# Altium PCB Lancelot.PcbDoc (part 3 of 14) (continued)
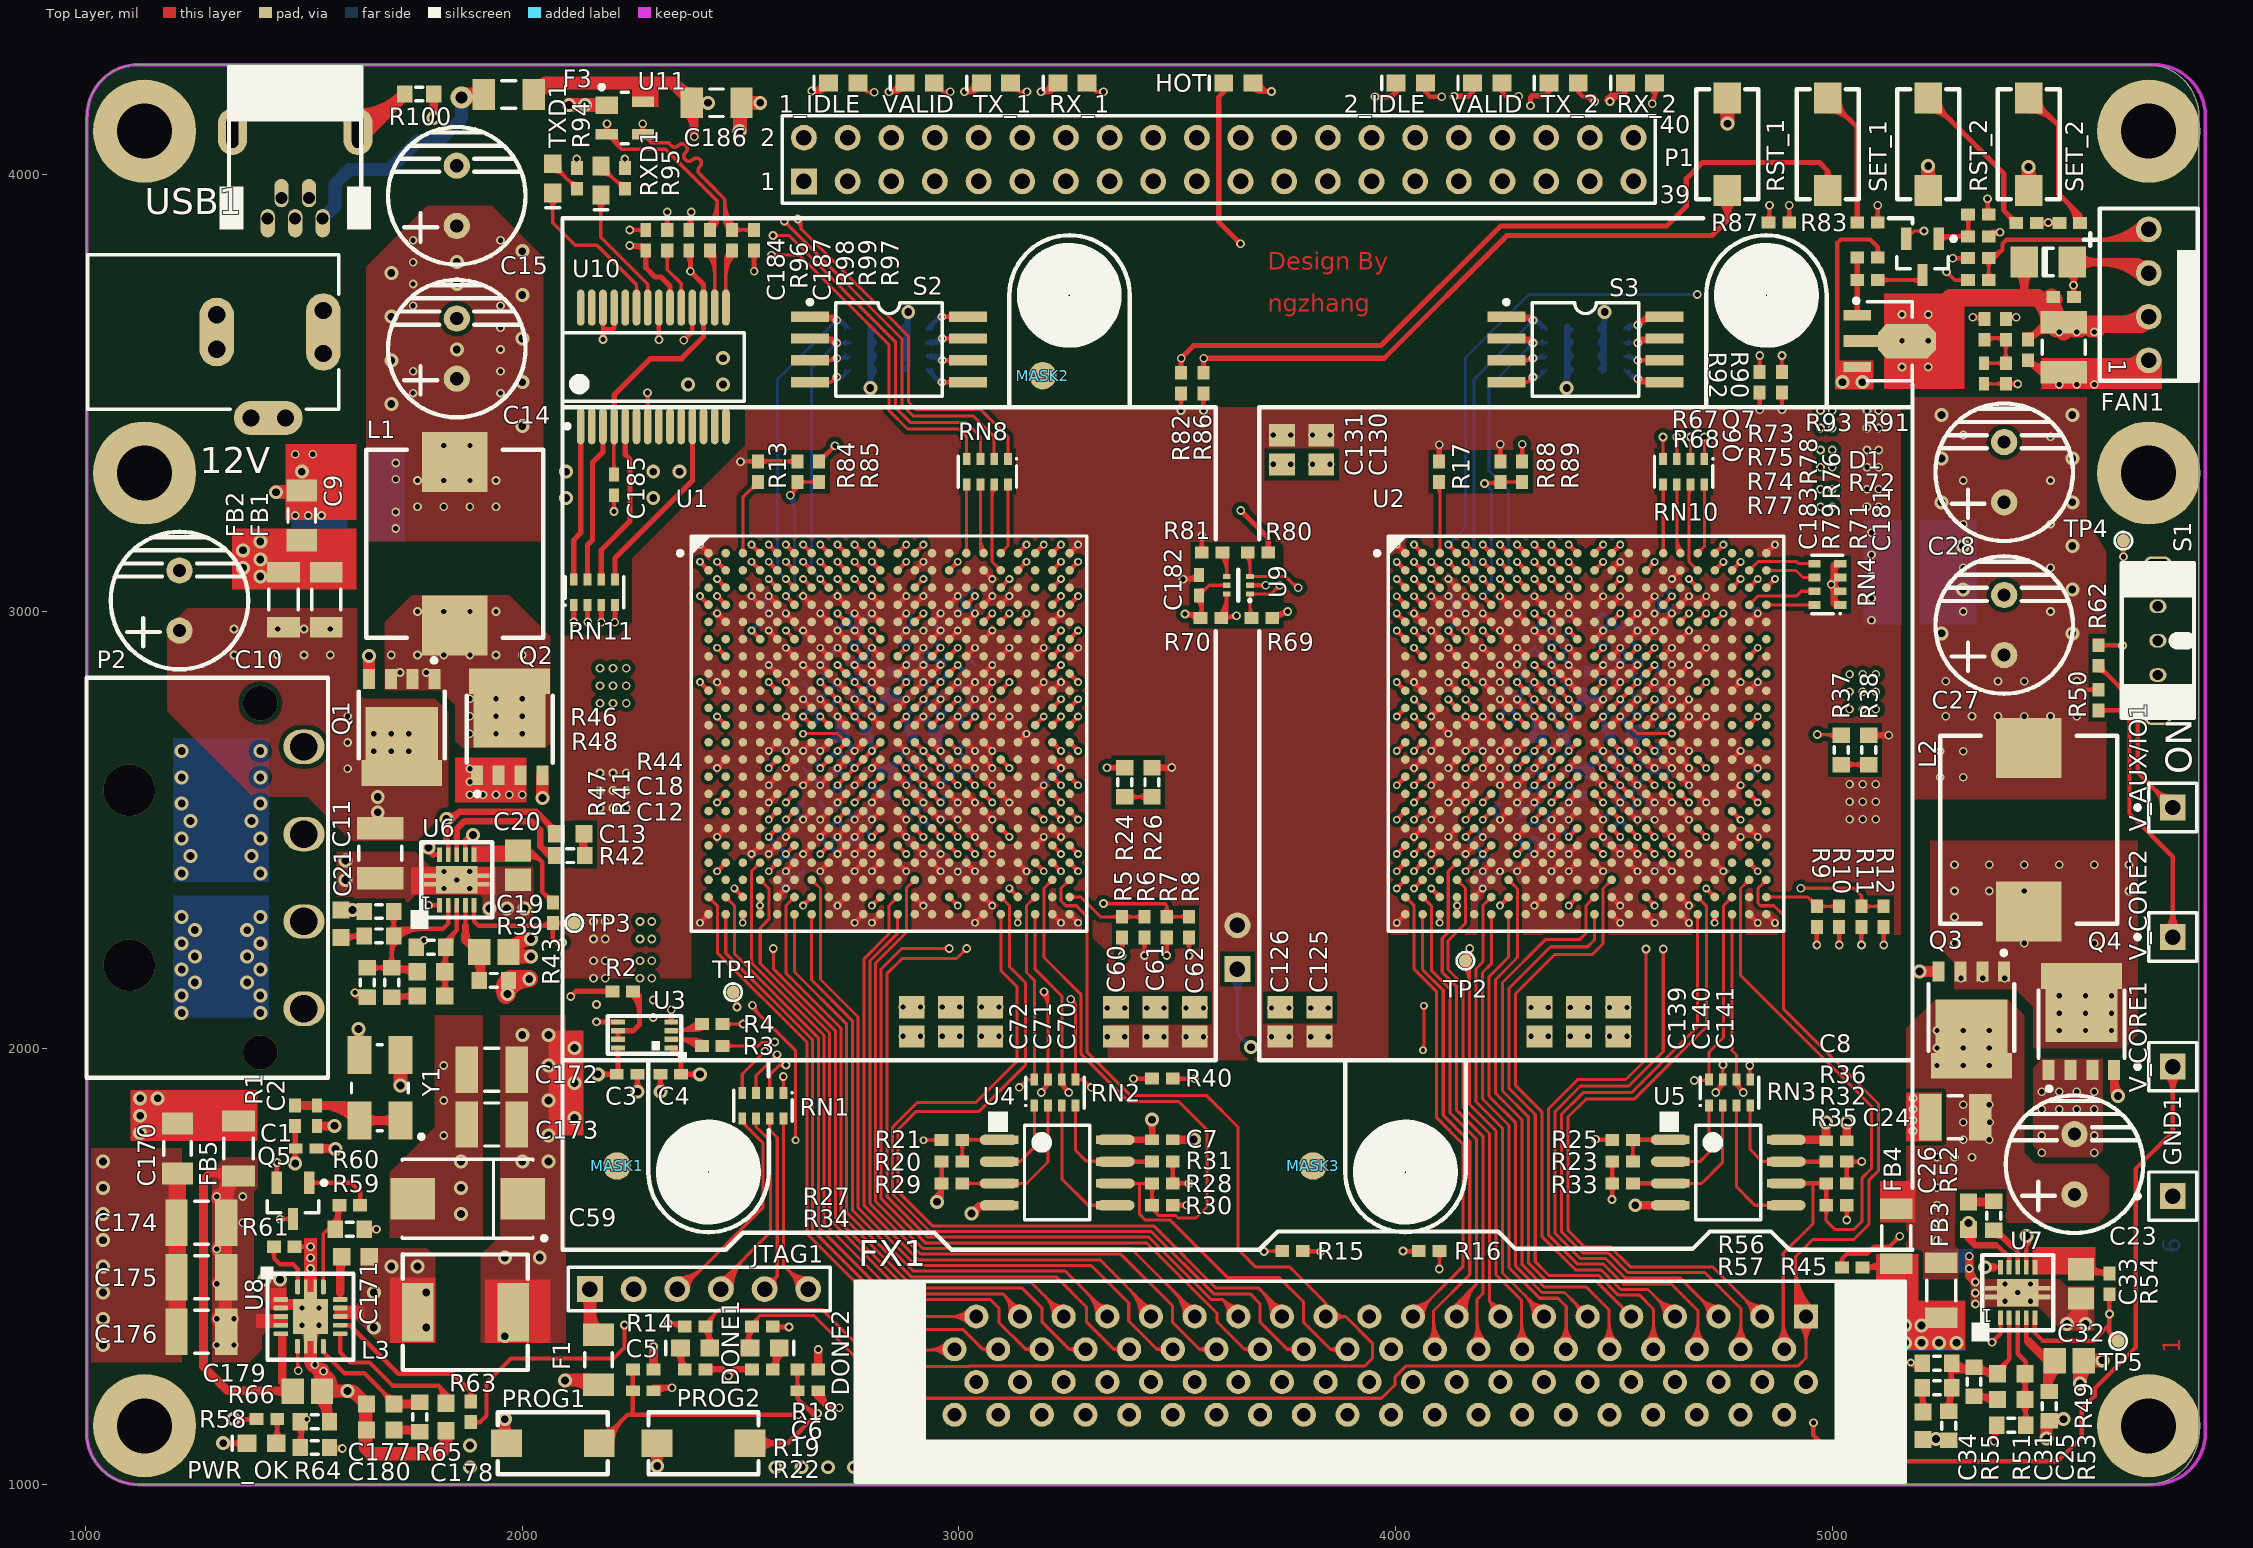
[diagram p0: Top Layer view]
## Nets (pads, with @x,y where several pads share a name; then routed paths per layer and width w, separated by ;. In a path a pad name is that pad's centre, name@x,y a point inside that pad or via, vN(x,y) a via of type N, cw(c..) or ccw(c..) an arc to the next point about the centre after c; other vN are vias at no path point) (continued)
FPGA1_SW4: RN6.7 S2.2 U1.C8 | length 918.8
  Top Layer w10: S2.2@2658.9,3625 2710,3625 v2(2720,3615) ; v1@2682.52,3070.33 cw(c2682.52,3060.67) 2689.35,3067.5 cw(c2696.18,3074.33) v1@2686.52,3074.33 ; v1(2682.52,3074.33) U1.C8@2702.2,3054.65 ; S2.2@2683.79,3625 cw(c2683.79,3578.79) v2@2716.46,3611.46 ; S2.2@2695.21,3620.18 cw(c2706.84,3608.56) 2706.84,3625 cw(c2706.84,3641.44) S2.2@2695.21,3629.82 ; U1.C8@2697.36,3054.65 ccw(c2685.67,3054.65) 2693.94,3062.91 ccw(c2702.2,3071.18) U1.C8@2702.2,3059.49 ; 2707.93,3625 cw(c2707.93,3602.93) v2@2723.54,3618.54 ; v2@2715,3615 ccw(c2702.93,3615) 2711.46,3623.54 ccw(c2720,3632.07) v2@2720,3620
  Bottom Layer w7: v1@2677.02,3074.33 ccw(c2663.74,3074.33) 2673.13,3083.72 ccw(c2682.52,3093.11) v1@2682.52,3079.83 ; v1(2682.52,3074.33) 2662.83,3094.02 2662.83,3557.83 v2(2720,3615) 2749.72,3615 RN6.7@2750.47,3615.75 ; v2@2713.5,3615 cw(c2697.81,3615) 2708.9,3603.9 cw(c2720,3592.81) v2@2720,3608.5 ; v2@2724.6,3610.4 cw(c2735.69,3599.31) 2735.69,3615 cw(c2735.69,3630.69) v2@2724.6,3619.6 ; 2730.81,3615 ccw(c2730.81,3630.49) RN6.7@2741.76,3619.54 ; 2734.42,3615 cw(c2734.42,3604.62) RN6.7@2741.76,3611.96
FPGA1_SW5: RN6.6 S2.3 U1.A10 | length 826.3
  Top Layer w7: S2.3@2658.9,3575 2715,3575 v2(2720,3580) ; S2.3@2692.24,3575 ccw(c2692.24,3607.76) v2@2715.4,3584.6 ; S2.3@2696.27,3569.12 cw(c2710.46,3554.94) 2710.46,3575 cw(c2710.46,3595.06) S2.3@2696.27,3580.88 ; S2.3@2699.95,3572.18 ccw(c2693.8,3595.12) v2@2714.37,3583.25 ; 2706.51,3573.94 ccw(c2703.93,3583.56) v2@2713.65,3581.41 ; 2709.14,3575 ccw(c2709.14,3590.86) v2@2720.35,3579.65 ; 2710.96,3575.13 cw(c2712.93,3567.76) 2716.75,3574.37 ccw(c2712.93,3567.76) 2710.96,3575.13
  Top Layer w10: v1@2761.26,3149.07 cw(c2761.26,3139.41) 2768.09,3146.24 cw(c2774.92,3153.07) v1@2765.26,3153.07 ; v1(2761.26,3153.07) U1.A10@2780.94,3133.39 ; U1.A10@2776.1,3133.39 ccw(c2764.41,3133.39) 2772.68,3141.65 ccw(c2780.94,3149.92) U1.A10@2780.94,3138.23
  Mid-Layer 4 w7: v2@2720,3573.5 cw(c2720,3557.81) 2731.1,3568.9 cw(c2742.19,3580) v2@2726.5,3580 ; v2(2720,3580) 2761.26,3538.74 v1(2761.26,3153.07) ; v1@2757.37,3156.96 ccw(c2747.98,3166.35) 2761.26,3166.35 ccw(c2774.54,3166.35) v1@2765.15,3156.96
  Bottom Layer w7: v2(2720,3580) 2746.22,3580 RN6.6@2750.47,3584.25 ; v2@2722.35,3580 ccw(c2722.35,3607.45) RN6.6@2741.76,3588.04 ; v2@2723.68,3585.36 ccw(c2731.49,3596.73) 2735.06,3583.41 ; v2@2724.6,3575.4 cw(c2735.69,3564.31) 2735.69,3580 cw(c2735.69,3595.69) v2@2724.6,3584.6 ; v2@2725.63,3576.75 cw(c2737.42,3569.94) 2733.9,3583.09
FPGA1_SW6: RN6.5 S2.4 U1.B10 | length 739.6
  Top Layer w7: S2.4@2658.9,3525 2708,3525 ; S2.4@2696.81,3519.72 cw(c2708,3510.51) 2708,3525 ; S2.4@2696.81,3530.28 ccw(c2708,3539.49) 2708,3525 ; v2@2713.5,3537 cw(c2697.81,3537) 2708.9,3525.9 cw(c2720,3514.81) v2@2720,3530.5 ; v2(2720,3537) 2708,3525
  Top Layer w10: v1@2761.26,3109.7 cw(c2761.26,3100.04) 2768.09,3106.87 cw(c2774.92,3113.7) v1@2765.26,3113.7 ; v1(2761.26,3113.7) U1.B10@2780.94,3094.02 ; U1.B10@2776.1,3094.02 ccw(c2764.41,3094.02) 2772.68,3102.28 ccw(c2780.94,3110.55) U1.B10@2780.94,3098.86
  Mid-Layer 4 w7: v2@2720,3530.5 cw(c2720,3514.81) 2731.1,3525.9 cw(c2742.19,3537) v2@2726.5,3537 ; v2(2720,3537) 2741.57,3515.43 2741.57,3133.39 v1(2761.26,3113.7) ; v1@2755.76,3113.7 ccw(c2742.48,3113.7) 2751.87,3123.09 ccw(c2761.26,3132.48) v1@2761.26,3119.2
  Bottom Layer w7: v2(2720,3537) 2734.72,3537 ; v2@2724.8,3532.62 cw(c2734.72,3523.59) 2734.72,3537 ; v2@2724.8,3541.38 ccw(c2734.72,3550.41) 2734.72,3537 ; RN6.5@2740.22,3552.26 cw(c2721.24,3550.48) 2734.72,3537 ; RN6.5@2750.47,3552.76 2734.72,3537
FPGA1_SW7: R82.1 SET_1.1 U1.C10 | length 3130.2
  Top Layer w7: R82.1@3501.54,3555.86 ccw(c3483.54,3573.86) v2@3509,3573.86 ; v2@3503.85,3576.03 cw(c3492.7,3567.43) 3506.3,3563.79 ; v2@3504.4,3575.4 cw(c3493.31,3564.31) 3509,3564.31 cw(c3524.69,3564.31) v2@3513.6,3575.4 ; v2@3505.75,3574.37 cw(c3501.02,3566.17) 3510.16,3568.62 ; 3507.47,3568.13 cw(c3517.38,3565.48) v2@3512.25,3574.37 ; R82.1@3508.81,3546.62 3509,3546.81 v2(3509,3580) ; v2@3509,3572.95 ccw(c3533.17,3572.95) R82.1@3516.08,3555.86 ; 3511.42,3563.92 cw(c3524.31,3567.37) v2@3514.02,3575.86
  Top Layer w10: v1@2761.26,3070.33 cw(c2761.26,3060.67) 2768.09,3067.5 cw(c2774.92,3074.33) v1@2765.26,3074.33 ; v1(2761.26,3074.33) U1.C10@2780.94,3054.65 ; U1.C10@2776.1,3054.65 ccw(c2764.41,3054.65) 2772.68,3062.91 ccw(c2780.94,3071.18) U1.C10@2780.94,3059.49
  Top Layer w12: v2(3509,3580) 3538,3609 3967,3609 4241,3883 4621,3883 4666,3928 4666,3991 4703,4028 4971,4028 4990,4009 ; SET_1.1@4978.54,3990.42 ccw(c4969.2,4009) 4990,4009 ; SET_1.1@4990,3963.7 4990,4009 ; SET_1.1@5001.46,3990.42 cw(c5010.8,4009) 4990,4009
  Mid-Layer 4 w7: v1@2761.26,3068.83 cw(c2761.26,3055.55) 2770.65,3064.94 cw(c2780.04,3074.33) v1@2766.76,3074.33 ; v1(2761.26,3074.33) 2780.94,3054.65 2925.22,3054.65 2938.43,3067.85 2985.82,3067.85 3162.97,3245 3360,3245 3484,3369 3484,3555 v2(3509,3580) ; v2@3502.5,3580 cw(c3486.81,3580) 3497.9,3568.9 cw(c3509,3557.81) v2@3509,3573.5
FPGA1_TDO: U1.A19 U2.E18 | length 1896.5
  Top Layer w10: U1.A19@3135.28,3133.39 v1(3154.96,3153.07) ; U1.A19@3135.28,3138.23 ccw(c3135.28,3149.92) 3143.54,3141.65 ccw(c3151.81,3133.39) U1.A19@3140.12,3133.39 ; v1@3150.96,3153.07 cw(c3141.3,3153.07) 3148.13,3146.24 cw(c3154.96,3139.41) v1@3154.96,3149.07 ; U2.E18@4691.9,2975.83 v1(4711.58,2995.52) ; U2.E18@4691.9,2980.68 ccw(c4691.9,2992.37) 4700.16,2984.1 ccw(c4708.43,2975.83) U2.E18@4696.74,2975.83 ; v1@4707.58,2995.52 cw(c4697.93,2995.52) 4704.76,2988.69 cw(c4711.58,2981.86) v1@4711.58,2991.52
  Mid-Layer 4 w7: v1(3154.96,3153.07) 3194.01,3192.12 4042.54,3192.12 4101.35,3133.32 4101.35,3028.41 4114.55,3015.2 4219.46,3015.2 4258.83,2975.83 4691.9,2975.83 v1(4711.58,2995.52) ; v1@3154.96,3158.57 ccw(c3154.96,3171.85) 3164.35,3162.46 ccw(c3173.74,3153.07) v1@3160.46,3153.07 ; v1@4706.08,2995.52 cw(c4692.81,2995.52) 4702.19,2986.13 cw(c4711.58,2976.74) v1@4711.58,2990.02
FPGA2_B1_1: RN4.5 U2.B21 | length 203
  Top Layer w7: U2.B21@4810.01,3093.94 4830.04,3113.97 4857.39,3113.97 ; U2.B21@4810.01,3100.29 ccw(c4810.01,3115.6) 4820.84,3104.77 ccw(c4831.66,3093.94) U2.B21@4816.35,3093.94 ; 4857.42,3114 4918,3114 4922,3110 RN4.5@4958.72,3110 ; 4939.79,3110 cw(c4939.79,3094.48) RN4.5@4950.76,3105.46 ; 4943.44,3110 ccw(c4943.44,3120.36) RN4.5@4950.76,3113.03
FPGA2_B1_2: RN4.6 U2.B22 | length 161.2
  Top Layer w7: U2.B22@4849.38,3093.94 4917.06,3093.94 4933.25,3077.75 RN4.6@4959.47,3077.75 ; U2.B22@4853.86,3089.46 cw(c4864.69,3078.63) 4864.69,3093.94 cw(c4864.69,3109.26) U2.B22@4853.86,3098.43 ; RN4.6@4950.76,3073.96 ccw(c4941.62,3064.81) 4941.62,3077.75 ccw(c4941.62,3090.68) RN4.6@4950.76,3081.54
FPGA2_B1_3: RN4.7 U2.D21 | length 206.7
  Top Layer w7: U2.D21@4810.01,3015.2 4829.8,3035 4918,3035 4929.25,3046.25 RN4.7@4959.47,3046.25 ; U2.D21@4810.01,3021.55 ccw(c4810.01,3036.86) 4820.84,3026.03 ccw(c4831.66,3015.2) U2.D21@4816.35,3015.2 ; RN4.7@4950.76,3042.46 ccw(c4941.62,3033.32) 4941.62,3046.25 ccw(c4941.62,3059.19) RN4.7@4950.76,3050.04
FPGA2_B1_4: RN4.8 U2.D22 | length 154.5
  Top Layer w7: U2.D22@4849.38,3015.2 RN4.8@4959.47,3015.2 ; U2.D22@4853.86,3010.72 cw(c4864.69,2999.89) 4864.69,3015.2 cw(c4864.69,3030.52) U2.D22@4853.86,3019.69 ; 4940.53,3015.2 cw(c4940.53,3000.74) RN4.8@4950.76,3010.97 ; 4942.7,3015.2 ccw(c4942.7,3026.61) RN4.8@4950.76,3018.54
FPGA2_BUSY: FX1.6 U2.T20 | length 2124.4
  Top Layer w7: v2@4569.19,2222.4 cw(c4558.1,2211.31) 4573.79,2211.31 cw(c4589.48,2211.31) v2@4578.38,2222.4 ; v2(4573.79,2227) 4573.79,1973.79 4528,1928 4417.36,1928 4350,1860.64 4350,1572.38 4417.38,1505 4476.15,1505 4521.15,1460 4631,1460 4693,1398 4693,1313.12 FX1.6@4690,1310.12 ; FX1.6@4672.99,1327.13 ccw(c4624.67,1375.45) 4693,1375.45 ; FX1.6@4677.94,1322.18 ccw(c4641.57,1358.55) 4693,1358.55 ; FX1.6@4682.89,1317.23 ccw(c4658.47,1341.65) 4693,1341.65 ; 4693,1344.06 ccw(c4723.94,1344.06) FX1.6@4702.06,1322.18 ; 4693,1360.95 ccw(c4740.83,1360.95) FX1.6@4707.01,1327.13
  Top Layer w10: U2.T20@4770.64,2537.92 cw(c4770.64,2526.23) 4778.9,2534.5 cw(c4787.17,2542.76) U2.T20@4775.48,2542.76 ; U2.T20@4770.64,2542.76 v1(4790.32,2523.08) ; v1@4786.32,2523.08 ccw(c4776.67,2523.08) 4783.5,2529.91 ccw(c4790.32,2536.73) v1@4790.32,2527.08
  Mid-Layer 4 w7: v2@4569.19,2231.6 ccw(c4558.1,2242.69) 4573.79,2242.69 ccw(c4589.48,2242.69) v2@4578.38,2231.6 ; v2(4573.79,2227) 4573.79,2490.18 4587,2503.39 4691.9,2503.39 4711.58,2523.08 v1(4790.32,2523.08) ; v1@4786.43,2519.19 ccw(c4777.05,2509.8) 4777.05,2523.08 ccw(c4777.05,2536.36) v1@4786.43,2526.97
FPGA2_CLK: R3.1 U2.J1 | length 2574.4
  Top Layer w7: R3.1@2458.62,2005 2540.42,2005 2547.92,2012.5 2576.5,2012.5 v2(2578,2014) ; R3.1@2467.86,1997.73 cw(c2485.41,1980.18) 2485.41,2005 cw(c2485.41,2029.82) R3.1@2467.86,2012.27 ; 2558.69,2012.5 ccw(c2558.69,2033.31) v2@2573.4,2018.6 ; 2565.93,2012.5 cw(c2565.93,2001.93) v2@2573.4,2009.4
  Top Layer w10: v1@4002.92,2834.04 cw(c4002.92,2824.38) 4009.75,2831.21 cw(c4016.58,2838.04) v1@4006.92,2838.04 ; v1(4002.92,2838.04) U2.J1@4022.61,2818.35 ; U2.J1@4017.76,2818.35 ccw(c4006.07,2818.35) 4014.34,2826.62 ccw(c4022.61,2834.89) U2.J1@4022.61,2823.2
  Mid-Layer 4 w7: v2(2578,2014) 2689,2014 2744,2069 3944,2069 4061.98,2186.98 4061.98,2306.54 4101.35,2345.91 4101.35,2700.24 4061.98,2739.61 4061.98,2778.98 4062,2808 4051.65,2818.35 4022.61,2818.35 v1(4002.92,2838.04) ; v2@2582.6,2009.4 cw(c2593.69,1998.31) 2593.69,2014 cw(c2593.69,2029.69) v2@2582.6,2018.6 ; v1@4002.92,2832.54 cw(c4002.92,2819.26) 4012.31,2828.65 cw(c4021.7,2838.04) v1@4008.42,2838.04
FPGA2_CS: R25.2 U2.T5 | length 1357.9
  Top Layer w7: v1@4059.11,1998.89 ccw(c4044.89,2013.11) 4065,2013.11 ; v1@4061.11,2093.11 cw(c4051.72,2083.72) 4065,2083.72 cw(c4078.28,2083.72) v1@4068.89,2093.11 ; v1(4063,1995) 4065,1997 v1(4065,2097) ; v2(4458,1791) 4495.38,1791 R25.2@4496.38,1790 ; v2@4461.66,1785.63 cw(c4472.39,1769.87) 4477.32,1788.28 ; v2@4462.6,1786.4 cw(c4473.69,1775.31) 4473.69,1791 cw(c4473.69,1806.69) v2@4462.6,1795.6 ; v2@4463.63,1794.25 ccw(c4470.2,1798.04) 4468.23,1790.72 ; v2@4467.18,1791 cw(c4467.18,1762.77) R25.2@4487.14,1782.73 ; 4472.01,1791 ccw(c4472.01,1812.4) R25.2@4487.14,1797.27
  Top Layer w10: v1(4160.4,2523.08) U2.T5@4180.09,2542.76 ; v1@4160.4,2527.08 ccw(c4160.4,2536.73) 4167.23,2529.91 ccw(c4174.06,2523.08) v1@4164.4,2523.08 ; U2.T5@4175.24,2542.76 cw(c4163.55,2542.76) 4171.82,2534.5 cw(c4180.09,2526.23) U2.T5@4180.09,2537.92
  Mid-Layer 4 w7: v1(4063,1995) 4099,1995 4303,1791 v2(4458,1791) ; v1(4065,2097) 4121,2153 4121,2365.57 4140.72,2385.28 4140.72,2503.39 v1(4160.4,2523.08) ; v1@4065,2102.5 ccw(c4065,2115.78) 4074.39,2106.39 ccw(c4083.78,2097) v1@4070.5,2097 ; v1@4066.89,1991.11 cw(c4076.28,1981.72) 4076.28,1995 cw(c4076.28,2008.28) v1@4066.89,1998.89 ; v1@4154.9,2523.08 cw(c4141.62,2523.08) 4151.01,2513.69 cw(c4160.4,2504.3) v1@4160.4,2517.58 ; v2@4453.4,1786.4 ccw(c4442.31,1775.31) 4442.31,1791 ccw(c4442.31,1806.69) v2@4453.4,1795.6
FPGA2_DQ0: FX1.47 RN3.8 U2.AA20 | length 1497.2
  Top Layer w7: v2(4684,1926) 4716.23,1926 RN3.8@4717.76,1927.53 4717.76,1990.76 4751,2024 4751,2326.28 U2.AA20@4770.64,2345.91 ; v2@4688.6,1921.4 cw(c4699.69,1910.31) 4699.69,1926 cw(c4699.69,1941.69) v2@4688.6,1930.6 ; 4701.13,1926 ccw(c4701.13,1944.15) RN3.8@4713.97,1931.32 ; 4708.51,1926 cw(c4708.51,1918.28) RN3.8@4713.97,1923.74 ; RN3.8@4713.97,1936.24 ccw(c4704.82,1945.38) 4717.76,1945.38 ccw(c4730.69,1945.38) RN3.8@4721.54,1936.24 ; U2.AA20@4764.3,2345.91 cw(c4748.98,2345.91) 4759.81,2335.09 cw(c4770.64,2324.26) U2.AA20@4770.64,2339.57
  Mid-Layer 4 w7: FX1.47@4622.99,1252.13 ccw(c4581.92,1293.2) 4640,1293.2 ccw(c4698.08,1293.2) FX1.47@4657.01,1252.13 ; FX1.47@4627.94,1247.18 ccw(c4598.81,1276.3) 4640,1276.3 ccw(c4681.18,1276.3) FX1.47@4652.06,1247.18 ; FX1.47@4640,1235.12 4640,1320 4596,1364 4591,1364 4591,1424 4684,1517 v2(4684,1926) ; v2@4679.4,1921.4 cw(c4668.31,1910.31) 4684,1910.31 cw(c4699.69,1910.31) v2@4688.6,1921.4
FPGA2_DQ1: FX1.45 RN3.7 U2.U14 | length 1825.8
  Top Layer w7: v2@4731.82,1904.27 ccw(c4727.65,1919.82) 4741.6,1911.77 ; v2(4733.5,1897.99) 4749.25,1913.74 ; v2@4733.5,1904.49 ccw(c4733.5,1920.18) 4744.6,1909.09 ccw(c4755.7,1897.99) v2@4740,1897.99 ; v2@4733.83,1898.32 ccw(c4709.55,1922.61) RN3.7@4743.89,1922.61 ; v2@4739.78,1899.67 cw(c4754.54,1903.63) 4741.31,1911.27 ; v2@4745.4,1957.4 cw(c4736.11,1948.11) 4749.25,1948.11 ; RN3.7@4745.46,1936.24 ccw(c4736.32,1945.38) 4749.25,1945.38 ccw(c4762.19,1945.38) RN3.7@4753.04,1936.24 ; 4745.78,1910.27 ccw(c4733.45,1922.61) RN3.7@4750.89,1922.61 ; RN3.7@4746.76,1917.86 cw(c4744.59,1913.74) 4749.25,1913.74 ; 4749.25,1944.5 cw(c4767.5,1944.5) v2@4754.6,1957.4 ; v2(4750,1962) 4749.25,1961.25 RN3.7@4749.25,1927.53 4749.25,1913.74 ; RN3.7@4751.74,1917.86 ccw(c4753.91,1913.74) 4749.25,1913.74
  Top Layer w10: U2.U14@4534.42,2498.55 cw(c4534.42,2486.86) 4542.68,2495.13 cw(c4550.95,2503.39) U2.U14@4539.26,2503.39 ; U2.U14@4534.42,2503.39 v1(4554.1,2483.71) ; v1@4550.1,2483.71 ccw(c4540.45,2483.71) 4547.27,2490.54 ccw(c4554.1,2497.36) v1@4554.1,2487.71
  Mid-Layer 4 w7: v1@4548.6,2483.71 cw(c4535.33,2483.71) 4544.71,2474.32 cw(c4554.1,2464.93) v1@4554.1,2478.21 ; v1(4554.1,2483.71) 4534.42,2464.02 4534.42,2199.37 4750,1983.79 v2(4750,1962) ; FX1.45@4722.99,1252.13 ccw(c4679.5,1295.62) 4741,1295.62 ; FX1.45@4727.94,1247.18 ccw(c4696.4,1278.72) 4741,1278.72 ; v2@4728.91,1893.39 cw(c4717.81,1882.3) 4733.5,1882.3 cw(c4749.2,1882.3) v2@4738.1,1893.39 ; v2(4733.5,1897.99) 4733.5,1478.5 4689,1434 4689,1375 4741,1323 4741,1236.12 FX1.45@4740,1235.12 ; 4741,1273.89 ccw(c4778.77,1273.89) FX1.45@4752.06,1247.18 ; 4741,1290.79 ccw(c4795.67,1290.79) FX1.45@4757.01,1252.13 ; v2@4745.4,1966.6 ccw(c4734.31,1977.69) 4750,1977.69 ccw(c4765.69,1977.69) v2@4754.6,1966.6
FPGA2_DQ2: FX1.41 RN3.5 U2.U13 | length 1931.1
  Top Layer w7: v2@4806.4,1955.4 cw(c4792.3,1941.3) RN3.5@4812.24,1941.3 ; RN3.5@4808.46,1936.24 ccw(c4799.31,1945.38) 4812.24,1945.38 ccw(c4825.18,1945.38) RN3.5@4816.03,1936.24 ; v2(4811,1960) 4812.24,1958.76 RN3.5@4812.24,1927.53 ; 4812.24,1947.31 cw(c4823.69,1947.31) v2@4815.6,1955.4
  Top Layer w10: U2.U13@4495.05,2498.55 cw(c4495.05,2486.86) 4503.31,2495.13 cw(c4511.58,2503.39) U2.U13@4499.89,2503.39 ; U2.U13@4495.05,2503.39 v1(4514.73,2483.71) ; v1@4510.73,2483.71 ccw(c4501.08,2483.71) 4507.9,2490.54 ccw(c4514.73,2497.36) v1@4514.73,2487.71
  Mid-Layer 4 w7: v1@4509.23,2483.71 cw(c4495.95,2483.71) 4505.34,2474.32 cw(c4514.73,2464.93) v1@4514.73,2478.21 ; v1(4514.73,2483.71) 4495.05,2464.02 4495.05,2194.95 4720,1970 4720,1950 4742.47,1927.53 4780.75,1927.53 4780.75,1929.75 v2(4811,1960) 4985,1786 4985,1280.12 FX1.41@4940,1235.12 ; v2@4804.5,1960 cw(c4788.81,1960) 4799.9,1948.9 cw(c4811,1937.81) 4811,1953.5 cw(c4811,1937.81) 4822.1,1948.9 cw(c4833.19,1960) v2@4817.5,1960 ; FX1.41@4940,1252.18 ccw(c4940,1293.36) 4969.12,1264.24 ccw(c4998.24,1235.12) FX1.41@4957.06,1235.12 ; FX1.41@4940,1259.18 ccw(c4940,1317.26) 4981.07,1276.19 ccw(c5022.14,1235.12) FX1.41@4964.06,1235.12
FPGA2_DQ3: FX1.13 U2.AA6 | length 1248.2
  Top Layer w7: U2.AA6@4213.11,2345.91 cw(c4197.8,2345.91) 4208.63,2335.09 cw(c4219.46,2324.26) U2.AA6@4219.46,2339.57 ; U2.AA6@4219.46,2345.91 4200,2326.46 4200,2197 4184.24,2181.24 4184.24,1877.36 4245,1816.6 4245,1485 4340,1390 FX1.13@4340,1385.12 ; 4295.48,1434.52 cw(c4246.07,1385.12) FX1.13@4315.94,1385.12 ; 4307.26,1422.74 ccw(c4340,1455.47) FX1.13@4340,1409.18 ; 4307.43,1422.57 cw(c4269.97,1385.12) FX1.13@4322.94,1385.12 ; 4319.21,1410.79 ccw(c4340,1431.58) FX1.13@4340,1402.18 ; 4319.38,1410.62 cw(c4293.87,1385.12) FX1.13@4329.94,1385.12
FPGA2_DQ4: FX1.12 U2.AB6 | length 1289.2
  Top Layer w7: U2.AB6@4214.97,2302.06 cw(c4204.14,2291.23) 4219.46,2291.23 cw(c4234.77,2291.23) U2.AB6@4223.94,2302.06 ; U2.AB6@4219.46,2306.54 4219.46,2193.46 4199.24,2173.24 4199.24,1883.57 4260,1822.82 4260,1497 4330,1427 4372,1427 4391,1408 4391,1311.12 FX1.12@4390,1310.12 ; FX1.12@4372.99,1327.13 ccw(c4329.5,1370.62) 4391,1370.62 ; FX1.12@4377.94,1322.18 ccw(c4346.4,1353.72) 4391,1353.72 ; 4391,1348.88 ccw(c4428.76,1348.88) FX1.12@4402.06,1322.18 ; 4391,1365.78 ccw(c4445.66,1365.78) FX1.12@4407.01,1327.13
FPGA2_DQ5: FX1.16 U2.W4 | length 1380.7
  Top Layer w7: U2.W4@4134.37,2424.65 cw(c4119.06,2424.65) 4129.89,2413.83 cw(c4140.72,2403) U2.W4@4140.72,2418.31 ; U2.W4@4140.72,2424.65 4120.69,2404.63 4120.69,2265.07 4107,2251.38 4107,2174 4139.24,2141.76 4139.24,1858.72 4200,1797.96 4200,1438 4187,1425 4187,1313.12 FX1.16@4190,1310.12 ; FX1.16@4172.99,1327.13 ccw(c4139.15,1360.96) 4187,1360.96 ; FX1.16@4177.94,1322.18 ccw(c4156.05,1344.06) 4187,1344.06 ; 4187,1341.64 ccw(c4221.52,1341.64) FX1.16@4197.11,1317.23 ; 4187,1358.54 ccw(c4238.42,1358.54) FX1.16@4202.06,1322.18 ; 4187,1375.44 ccw(c4255.32,1375.44) FX1.16@4207.01,1327.13
FPGA2_DQ6: FX1.15 U2.Y4 | length 1173.2
  Top Layer w7: U2.Y4@4140.72,2378.94 cw(c4140.72,2363.63) 4151.54,2374.46 cw(c4162.37,2385.28) U2.Y4@4147.06,2385.28 ; U2.Y4@4140.72,2385.28 4160.06,2365.94 4160.06,2286.06 4120,2246 4120,2180 4154.24,2145.76 4154.24,1864.93 4215,1804.18 4215,1421 ; 4217.51,1418.49 ccw(c4240,1440.99) FX1.15@4240,1409.18 ; FX1.15@4218.72,1396.35 ccw(c4200.15,1406.15) 4215,1421 ; 4221.71,1414.29 cw(c4208.94,1401.51) FX1.15@4224.91,1393.08 ; FX1.15@4240,1385.12 4240,1396 4215,1421
FPGA2_DQ7: FX1.10 U2.Y7 | length 1448.4
  Top Layer w7: U2.Y7@4258.83,2378.94 cw(c4258.83,2363.63) 4269.65,2374.46 cw(c4280.48,2385.28) U2.Y7@4265.17,2385.28 ; U2.Y7@4258.83,2385.28 4278.85,2365.26 4278.85,2208 4273.83,2202.97 4273.83,2201.79 4229.24,2157.2 4229.24,1896 4290,1835.24 4290,1503.77 4340.77,1453 4437,1453 4489,1401 4489,1311.12 FX1.10@4490,1310.12 ; FX1.10@4472.99,1327.13 ccw(c4434.33,1365.79) 4489,1365.79 ; FX1.10@4477.94,1322.18 ccw(c4451.22,1348.89) 4489,1348.89 ; 4489,1353.71 ccw(c4533.59,1353.71) FX1.10@4502.06,1322.18 ; 4489,1370.61 ccw(c4550.49,1370.61) FX1.10@4507.01,1327.13
FPGA2_DQ8: FX1.17 U2.AA2 | length 1359.3
  Top Layer w7: U2.AA2@4061.98,2339.57 cw(c4061.98,2324.26) 4072.8,2335.09 cw(c4083.63,2345.91) U2.AA2@4068.32,2345.91 ; U2.AA2@4061.98,2345.91 4082,2325.89 4082,2178 4124.24,2135.76 4124.24,1852.51 4185,1791.75 4185,1459 ; FX1.17@4135.65,1408.78 ccw(c4134.69,1414) 4140,1414 ; FX1.17@4136.13,1384.38 cw(c4177.01,1392.16) 4147.58,1421.58 ; FX1.17@4140,1385.12 4140,1414 ; FX1.17@4143.01,1385.69 cw(c4192.72,1395.15) 4156.94,1430.94 ; FX1.17@4144.35,1408.78 cw(c4145.31,1414) 4140,1414 ; FX1.17@4149.88,1387 cw(c4208.44,1398.14) 4166.29,1440.29 ; FX1.17@4156.76,1388.31 cw(c4224.16,1401.13) 4175.64,1449.64 ; FX1.17@4163.63,1389.62 cw(c4239.87,1404.12) 4185,1459 ; 4140,1414 4185,1459
FPGA2_DQ9: FX1.18 U2.AB2 | length 1283.9
  Top Layer w7: U2.AB2@4057.49,2302.06 cw(c4046.66,2291.23) 4061.98,2291.23 cw(c4077.29,2291.23) U2.AB2@4066.46,2302.06 ; U2.AB2@4061.98,2306.54 4061.98,2179.64 4109.24,2132.37 4109.24,1846.29 4170,1785.54 4170,1481 4087,1398 4087,1313.12 FX1.18@4090,1310.12 ; FX1.18@4072.99,1327.13 ccw(c4039.16,1360.96) 4087,1360.96 ; FX1.18@4077.94,1322.18 ccw(c4056.05,1344.06) 4087,1344.06 ; 4087,1341.64 ccw(c4121.52,1341.64) FX1.18@4097.11,1317.23 ; 4087,1358.54 ccw(c4138.42,1358.54) FX1.18@4102.06,1322.18 ; 4087,1375.44 ccw(c4155.32,1375.44) FX1.18@4107.01,1327.13
FPGA2_DQ10: FX1.5 U2.V15 | length 1785.8
  Top Layer w7: v2@4608.56,2222.4 cw(c4597.47,2211.31) 4613.16,2211.31 cw(c4628.85,2211.31) v2@4617.75,2222.4 ; v2(4613.16,2227) 4613.16,1991.94 4534.21,1913 4423.57,1913 4365,1854.43 4365,1575.77 4422.77,1518 4481.54,1518 4526.54,1473 4652.12,1473 FX1.5@4740,1385.12 ; FX1.5@4715.94,1385.12 ccw(c4657.86,1385.12) 4698.93,1426.19 ccw(c4740,1467.26) FX1.5@4740,1409.18 ; FX1.5@4722.94,1385.12 ccw(c4681.76,1385.12) 4710.88,1414.24 ccw(c4740,1443.36) FX1.5@4740,1402.18
  Top Layer w10: U2.V15@4573.79,2459.18 cw(c4573.79,2447.49) 4582.05,2455.76 cw(c4590.32,2464.02) U2.V15@4578.63,2464.02 ; U2.V15@4573.79,2464.02 v1(4593.47,2444.34) ; v1@4589.47,2444.34 ccw(c4579.82,2444.34) 4586.64,2451.17 ccw(c4593.47,2457.99) v1@4593.47,2448.34
  Mid-Layer 4 w7: v1@4593.47,2438.84 cw(c4593.47,2425.56) 4602.86,2434.95 cw(c4612.25,2444.34) v1@4598.97,2444.34 ; v1(4593.47,2444.34) 4613.16,2424.65 v2(4613.16,2227) ; v2@4608.56,2231.6 ccw(c4597.47,2242.69) 4613.16,2242.69 ccw(c4628.85,2242.69) v2@4617.75,2231.6
FPGA2_DQ11: FX1.3 U2.AA18 | length 1674.5
  Top Layer w7: U2.AA18@4691.9,2339.57 cw(c4691.9,2324.26) 4702.72,2335.09 cw(c4713.55,2345.91) U2.AA18@4698.24,2345.91 ; U2.AA18@4691.9,2345.91 4711.93,2325.89 4711.93,2048.29 4546.64,1883 4436,1883 4395,1842 4395,1582.54 4433.54,1544 4492.31,1544 4537.31,1499 4726.12,1499 FX1.3@4840,1385.12 ; FX1.3@4815.94,1385.12 ccw(c4757.86,1385.12) 4798.93,1426.19 ccw(c4840,1467.26) FX1.3@4840,1409.18 ; FX1.3@4822.94,1385.12 ccw(c4781.76,1385.12) 4810.88,1414.24 ccw(c4840,1443.36) FX1.3@4840,1402.18
FPGA2_DQ12: FX1.4 U2.AB18 | length 1678.6
  Top Layer w7: U2.AB18@4687.41,2302.06 cw(c4676.59,2291.23) 4691.9,2291.23 cw(c4707.21,2291.23) U2.AB18@4696.38,2302.06 ; U2.AB18@4691.9,2306.54 4691.9,2049.47 4540.43,1898 4429.79,1898 4380,1848.21 4380,1579.15 4428.15,1531 4486.92,1531 4531.92,1486 4708,1486 4791,1403 4791,1311.12 FX1.4@4790,1310.12 ; FX1.4@4772.99,1327.13 ccw(c4729.5,1370.62) 4791,1370.62 ; FX1.4@4777.94,1322.18 ccw(c4746.4,1353.72) 4791,1353.72 ; 4791,1348.88 ccw(c4828.76,1348.88) FX1.4@4802.06,1322.18 ; 4791,1365.78 ccw(c4845.66,1365.78) FX1.4@4807.01,1327.13
FPGA2_DQ13: FX1.7 U2.Y13 | length 1543.7
  Top Layer w7: U2.Y13@4488.7,2385.28 cw(c4473.39,2385.28) 4484.22,2374.46 cw(c4495.05,2363.63) U2.Y13@4495.05,2378.94 ; U2.Y13@4495.05,2385.28 4475.02,2365.26 4475.02,2239.02 4450,2214 4364.18,2214 4275,2124.82 4275,1914 4335,1854 4335,1569 4412,1492 4470.77,1492 4515.77,1447 4578.12,1447 FX1.7@4640,1385.12 ; FX1.7@4615.94,1385.12 ccw(c4557.86,1385.12) 4598.93,1426.19 ccw(c4640,1467.26) FX1.7@4640,1409.18 ; FX1.7@4622.94,1385.12 ccw(c4581.76,1385.12) 4610.88,1414.24 ccw(c4640,1443.36) FX1.7@4640,1402.18
FPGA2_DQ14: FX1.9 U2.AA12 | length 1306.7
  Top Layer w7: U2.AA12@4449.33,2345.91 cw(c4434.02,2345.91) 4444.85,2335.09 cw(c4455.68,2324.26) U2.AA12@4455.68,2339.57 ; U2.AA12@4455.68,2345.91 4436,2326.24 4436,2263 4422,2249 4344,2249 4245,2150 4245,1901.57 4305,1841.57 4305,1507.15 4346.15,1466 4460,1466 4540,1386 FX1.9@4540,1385.12
FPGA2_DQ15: FX1.8 U2.AB12 | length 1540
  Top Layer w7: U2.AB12@4451.19,2302.06 cw(c4440.37,2291.23) 4455.68,2291.23 cw(c4470.99,2291.23) U2.AB12@4460.16,2302.06 ; U2.AB12@4455.68,2306.54 4455.68,2247.68 4440,2232 4354.83,2232 4260,2137.17 4260,1907.79 4320,1847.79 4320,1510.54 4351.54,1479 4465.38,1479 4510.38,1434 4559,1434 4591,1402 4591,1311.12 FX1.8@4590,1310.12 ; FX1.8@4572.99,1327.13 ccw(c4529.5,1370.62) 4591,1370.62 ; FX1.8@4577.94,1322.18 ccw(c4546.4,1353.72) 4591,1353.72 ; 4591,1348.88 ccw(c4628.76,1348.88) FX1.8@4602.06,1322.18 ; 4591,1365.78 ccw(c4645.66,1365.78) FX1.8@4607.01,1327.13
FPGA2_HSWAP: R17.2 U2.A3 | length 224.8
  Top Layer w7: R17.2@4092.73,3287.14 cw(c4071.93,3266.34) 4101.35,3266.34 ; U2.A3@4096.86,3137.8 ccw(c4086.03,3148.63) 4101.35,3148.63 ccw(c4116.66,3148.63) U2.A3@4105.83,3137.8 ; U2.A3@4101.35,3133.32 R17.2@4101.35,3295.03 ; 4101.35,3272.84 cw(c4121.57,3272.84) R17.2@4107.27,3287.14
FPGA2_INIT: FX1.14 R16.2 TP2.1 U2.T6 | length 2231.7
  Top Layer w7: R16.2@4093.35,1527.73 cw(c4075.81,1510.18) 4100.62,1510.18 cw(c4125.44,1510.18) R16.2@4107.89,1527.73 ; v2@4095.4,1498.6 ccw(c4082.81,1511.19) 4100.62,1511.19 ; v2(4100,1494) 4100.62,1494.62 R16.2@4100.62,1535 ; 4100.62,1508.19 ccw(c4114.19,1508.19) v2@4104.6,1498.6 ; TP2.1@4151.87,2191.87 cw(c4109.92,2149.92) 4169.24,2149.92 ; TP2.1@4156.82,2196.82 cw(c4126.82,2166.82) 4169.24,2166.82 ; TP2.1@4156.94,2211.09 ccw(c4152.48,2227.24) v2@4169.24,2227.24 ; TP2.1@4158.8,2204.34 ccw(c4155.02,2218.05) v2@4169.24,2218.05 ; TP2.1@4161.77,2201.77 cw(c4143.72,2183.72) 4169.24,2183.72 ; v2@4165.4,2223.4 cw(c4156.13,2214.13) 4169.24,2214.13 ; v2@4165.54,2223.27 cw(c4159.11,2216.45) 4168.17,2214.03 ; 4168.87,2216.67 cw(c4177.95,2214.24) v2@4173.25,2222.37 ; TP2.1@4169.24,2210.48 cw(c4187.52,2210.48) v2@4174.6,2223.4 ; v2(4170,2228) v2@4169.24,2227.24 ; FX1.14@4272.99,1327.13 ccw(c4234.33,1365.79) 4289,1365.79 ; FX1.14@4277.94,1322.18 ccw(c4251.23,1348.89) 4289,1348.89 ; 4289,1353.71 ccw(c4333.59,1353.71) FX1.14@4302.06,1322.18 ; 4289,1370.61 ccw(c4350.49,1370.61) FX1.14@4307.01,1327.13 ; FX1.14@4290,1310.12 4289,1311.12 4289,1422 4230,1481 4230,1810.39 4169.24,1871.15 v2@4169.24,2227.24
  Top Layer w10: v1(4199.77,2523.08) U2.T6@4219.46,2542.76 ; v1@4199.77,2527.08 ccw(c4199.77,2536.73) 4206.6,2529.91 ccw(c4213.43,2523.08) v1@4203.77,2523.08 ; U2.T6@4214.61,2542.76 cw(c4202.92,2542.76) 4211.19,2534.5 cw(c4219.46,2526.23) U2.T6@4219.46,2537.92
  Mid-Layer 4 w7: v2@4100,1487.5 cw(c4100,1471.81) 4111.1,1482.9 cw(c4122.19,1494) v2@4106.5,1494 ; v2(4100,1494) 4190,1404 4190,1371 4245,1316 ; v2(4170,2228) 4180.09,2238.09 ; v2@4170.45,2234.48 ccw(c4171.32,2246.85) 4180.09,2238.09 ; v2@4176.48,2228.45 cw(c4188.85,2229.32) 4180.09,2238.09 ; v1@4194.27,2523.08 cw(c4180.99,2523.08) 4190.38,2513.69 cw(c4199.77,2504.3) v1@4199.77,2517.58 ; v1(4199.77,2523.08) 4180.09,2503.39 4180.09,2238.09 ; 4246.12,1316 ccw(c4246.12,1354) FX1.14@4272.99,1327.13 ; 4255.52,1316 cw(c4255.52,1295.68) FX1.14@4274.26,1303.53 ; 4263.01,1316 ccw(c4263.01,1337.1) FX1.14@4277.94,1322.18 ; FX1.14@4267.81,1300.83 ccw(c4245,1291.28) 4245,1316 ; FX1.14@4290,1310.12 4284.12,1316 4245,1316
FPGA2_LED1: RN10.5 U2.A16 | length 201.7
  Top Layer w7: U2.A16@4608.67,3137.8 ccw(c4597.85,3148.63) 4613.16,3148.63 ccw(c4628.47,3148.63) U2.A16@4617.64,3137.8 ; RN10.5@4608.97,3281.76 cw(c4598.85,3271.65) 4613.16,3271.65 ; RN10.5@4612.76,3290.47 4613.16,3290.07 U2.A16@4613.16,3133.32 ; 4613.16,3273.59 cw(c4624.72,3273.59) RN10.5@4616.54,3281.76
FPGA2_LED2: RN10.6 U2.A17 | length 251.2
  Top Layer w7: RN10.6@4640.46,3281.76 cw(c4631.32,3272.62) 4644.25,3272.62 cw(c4657.19,3272.62) RN10.6@4648.04,3281.76 ; 4644.25,3151.71 ccw(c4670.92,3151.71) U2.A17@4652.06,3132.85 ; 4644.25,3168.61 ccw(c4687.82,3168.61) U2.A17@4657.01,3137.8 ; RN10.6@4644.25,3290.47 4644.25,3141.59 ; U2.A17@4646.32,3134.62 ccw(c4638.86,3136.2) 4644.25,3141.59 ; U2.A17@4651.22,3139.52 cw(c4649.64,3146.98) 4644.25,3141.59 ; U2.A17@4652.53,3133.32 4644.25,3141.59
FPGA2_LED3: RN10.7 U2.B18 | length 250.6
  Top Layer w7: 4672,3263.57 cw(c4697.73,3263.57) RN10.7@4679.54,3281.76 ; RN10.7@4675.75,3290.47 4672,3286.72 4672,3113.84 U2.B18@4691.9,3093.94 ; U2.B18@4685.56,3093.94 ccw(c4670.24,3093.94) 4681.07,3104.77 ccw(c4691.9,3115.6) U2.B18@4691.9,3100.29
FPGA2_LED4: RN10.8 U2.A18 | length 207.9
  Top Layer w7: U2.A18@4691.9,3133.32 4707.24,3148.66 RN10.8@4707.24,3290.47 ; U2.A18@4691.9,3139.66 ccw(c4691.9,3154.97) 4702.72,3144.14 ccw(c4713.55,3133.32) U2.A18@4698.24,3133.32 ; RN10.8@4703.46,3281.76 cw(c4694.31,3272.62) 4707.24,3272.62 cw(c4720.18,3272.62) RN10.8@4711.03,3281.76
FPGA2_M0: R9.2 R10.2 U2.AA22 | length 316.4
  Top Layer w7: U2.AA22@4849.38,2345.91 4943.71,2345.91 R9.2@4965,2324.62 R10.2@5016,2324.62 ; U2.AA22@4853.86,2341.43 cw(c4864.69,2330.6) 4864.69,2345.91 cw(c4864.69,2361.23) U2.AA22@4853.86,2350.4 ; 4944.09,2345.53 ccw(c4965,2366.44) R9.2@4965,2336.87 ; 4948.84,2340.78 cw(c4934.66,2326.59) R9.2@4954.72,2326.59 ; R9.2@4972.27,2317.35 cw(c4989.82,2299.81) 4989.82,2324.62 cw(c4989.82,2349.44) R9.2@4972.27,2331.89 ; R10.2@5008.73,2317.35 ccw(c4991.18,2299.81) 4991.18,2324.62 ccw(c4991.18,2349.44) R10.2@5008.73,2331.89